# KiCad board SparkFun_Pro_Mini-ESP32_panelized.kicad_pcb (continued)
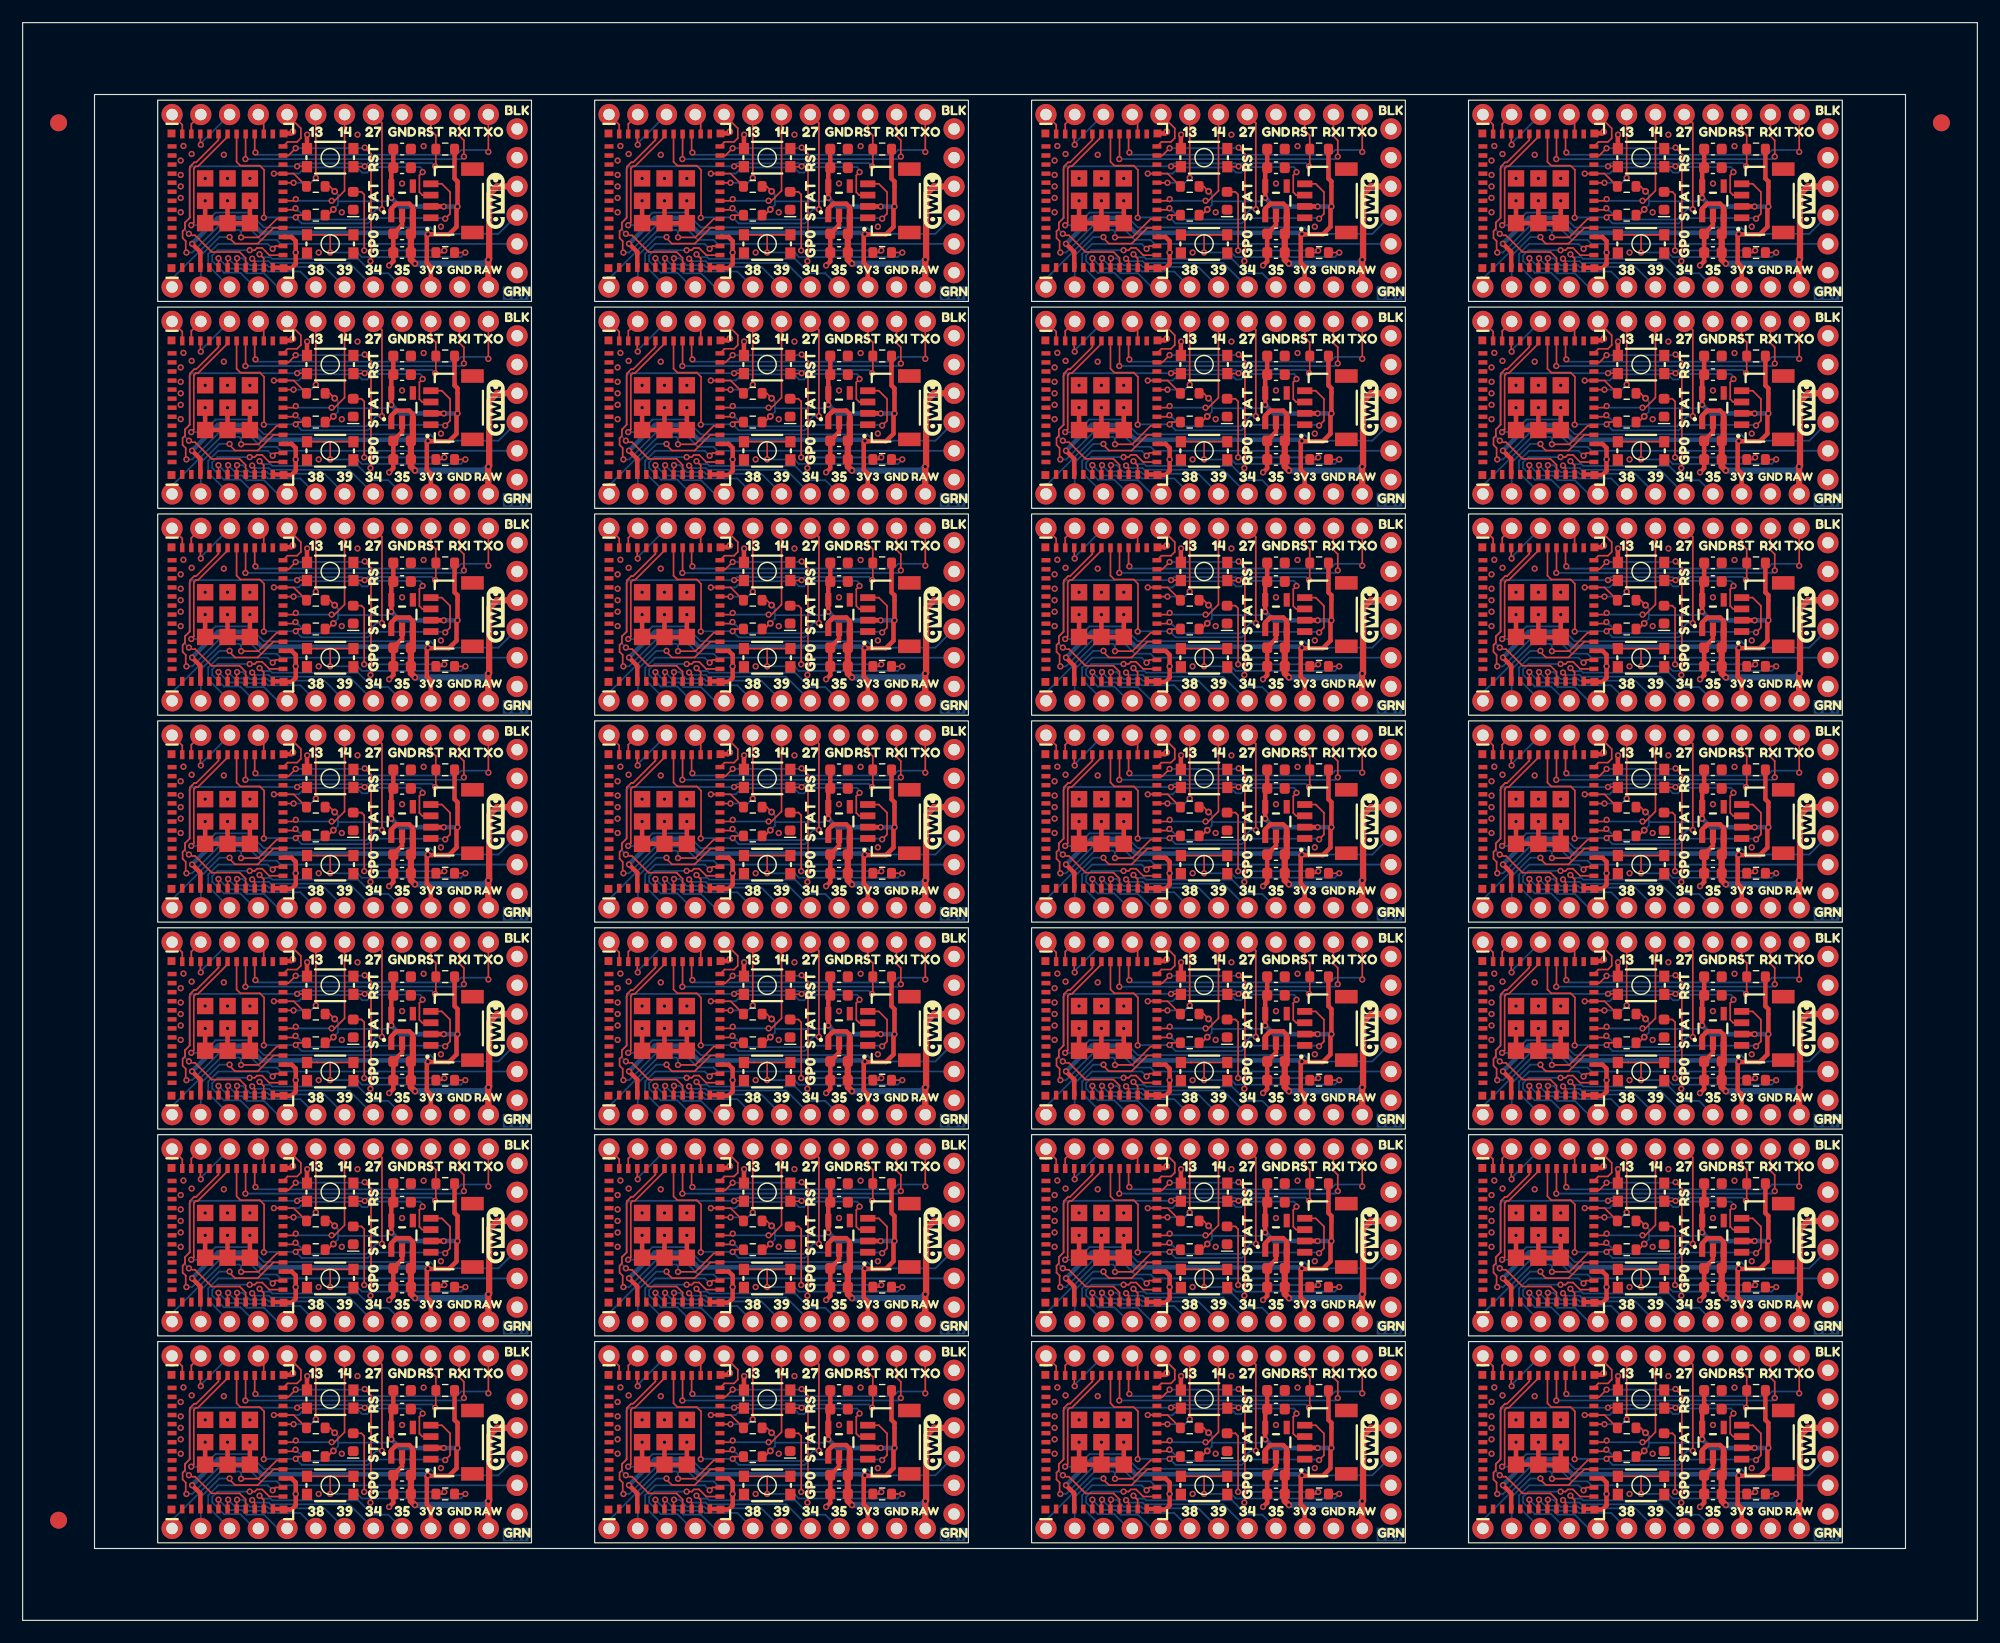
[diagram p0: board, top side]
## Nets (continued)
GND: C1.2 C1#2.2 C1#3.2 C1#4.2 C1#5.2 C1#6.2 C1#7.2 C1#8.2 C1#9.2 C1#10.2 C1#11.2 C1#12.2 C1#13.2 C1#14.2 C1#15.2 C1#16.2 C1#17.2 C1#18.2 C1#19.2 C1#20.2 C1#21.2 C1#22.2 C1#23.2 C1#24.2 C1#25.2 C1#26.2 C1#27.2 C1#28.2 C2.2 C2#2.2 C2#3.2 C2#4.2 C2#5.2 C2#6.2 C2#7.2 C2#8.2 C2#9.2 C2#10.2 C2#11.2 C2#12.2 C2#13.2 C2#14.2 C2#15.2 C2#16.2 C2#17.2 C2#18.2 C2#19.2 C2#20.2 C2#21.2 C2#22.2 C2#23.2 C2#24.2 C2#25.2 C2#26.2 C2#27.2 C2#28.2 C5.2 C5#2.2 C5#3.2 C5#4.2 C5#5.2 C5#6.2 C5#7.2 C5#8.2 C5#9.2 C5#10.2 C5#11.2 C5#12.2 C5#13.2 C5#14.2 C5#15.2 C5#16.2 C5#17.2 C5#18.2 C5#19.2 C5#20.2 C5#21.2 C5#22.2 C5#23.2 C5#24.2 C5#25.2 C5#26.2 C5#27.2 C5#28.2 C6.2 C6#2.2 C6#3.2 C6#4.2 C6#5.2 C6#6.2 C6#7.2 C6#8.2 C6#9.2 C6#10.2 C6#11.2 C6#12.2 C6#13.2 C6#14.2 C6#15.2 C6#16.2 C6#17.2 C6#18.2 C6#19.2 C6#20.2 C6#21.2 C6#22.2 C6#23.2 C6#24.2 C6#25.2 C6#26.2 C6#27.2 C6#28.2 D1.1 D1#2.1 D1#3.1 D1#4.1 D1#5.1 D1#6.1 D1#7.1 D1#8.1 D1#9.1 D1#10.1 D1#11.1 D1#12.1 D1#13.1 D1#14.1 D1#15.1 D1#16.1 D1#17.1 D1#18.1 D1#19.1 D1#20.1 D1#21.1 D1#22.1 D1#23.1 D1#24.1 D1#25.1 D1#26.1 D1#27.1 D1#28.1 J1.5 J1.6 J1#2.5 J1#2.6 J1#3.5 J1#3.6 J1#4.5 J1#4.6 J1#5.5 J1#5.6 J1#6.5 J1#6.6 J1#7.5 J1#7.6 J1#8.5 J1#8.6 J1#9.5 J1#9.6 J1#10.5 J1#10.6 J1#11.5 J1#11.6 J1#12.5 J1#12.6 J1#13.5 J1#13.6 J1#14.5 J1#14.6 J1#15.5 J1#15.6 J1#16.5 J1#16.6 J1#17.5 J1#17.6 J1#18.5 J1#18.6 J1#19.5 J1#19.6 J1#20.5 J1#20.6 J1#21.5 J1#21.6 J1#22.5 J1#22.6 J1#23.5 J1#23.6 J1#24.5 J1#24.6 J1#25.5 J1#25.6 J1#26.5 J1#26.6 J1#27.5 J1#27.6 J1#28.5 J1#28.6 J2.11 J2#2.11 J2#3.11 J2#4.11 J2#5.11 J2#6.11 J2#7.11 J2#8.11 J2#9.11 J2#10.11 J2#11.11 J2#12.11 J2#13.11 J2#14.11 J2#15.11 J2#16.11 J2#17.11 J2#18.11 J2#19.11 J2#20.11 J2#21.11 J2#22.11 J2#23.11 J2#24.11 J2#25.11 J2#26.11 J2#27.11 J2#28.11 J3.9 J3#2.9 J3#3.9 J3#4.9 J3#5.9 J3#6.9 J3#7.9 J3#8.9 J3#9.9 J3#10.9 J3#11.9 J3#12.9 J3#13.9 J3#14.9 J3#15.9 J3#16.9 J3#17.9 J3#18.9 J3#19.9 J3#20.9 J3#21.9 J3#22.9 J3#23.9 J3#24.9 J3#25.9 J3#26.9 J3#27.9 J3#28.9 J4.1 J4#2.1 J4#3.1 J4#4.1 J4#5.1 J4#6.1 J4#7.1 J4#8.1 J4#9.1 J4#10.1 J4#11.1 J4#12.1 J4#13.1 J4#14.1 J4#15.1 J4#16.1 J4#17.1 J4#18.1 J4#19.1 J4#20.1 J4#21.1 J4#22.1 J4#23.1 J4#24.1 J4#25.1 J4#26.1 J4#27.1 J4#28.1 SW1.2 SW1#2.2 SW1#3.2 SW1#4.2 SW1#5.2 SW1#6.2 SW1#7.2 SW1#8.2 SW1#9.2 SW1#10.2 SW1#11.2 SW1#12.2 SW1#13.2 SW1#14.2 SW1#15.2 SW1#16.2 SW1#17.2 SW1#18.2 SW1#19.2 SW1#20.2 SW1#21.2 SW1#22.2 SW1#23.2 SW1#24.2 SW1#25.2 SW1#26.2 SW1#27.2 SW1#28.2 SW2.2 SW2#2.2 SW2#3.2 SW2#4.2 SW2#5.2 SW2#6.2 SW2#7.2 SW2#8.2 SW2#9.2 SW2#10.2 SW2#11.2 SW2#12.2 SW2#13.2 SW2#14.2 SW2#15.2 SW2#16.2 SW2#17.2 SW2#18.2 SW2#19.2 SW2#20.2 SW2#21.2 SW2#22.2 SW2#23.2 SW2#24.2 SW2#25.2 SW2#26.2 SW2#27.2 SW2#28.2 U1.1 U1.2 U1.11 U1.14 U1.36 U1.37 U1.38 U1.39 U1.40 U1.41 U1.42 U1.43 U1.44 U1.45 U1.46 U1.47 U1.48 U1.49.1 U1.49.2 U1.49.3 U1.49.4 U1.49.5 U1.49.6 U1.49.7 U1.49.8 U1.49.9 U1.50 U1.51 U1.52 U1.53 U1#2.1 U1#2.2 U1#2.11 U1#2.14 U1#2.36 U1#2.37 U1#2.38 U1#2.39 U1#2.40 U1#2.41 U1#2.42 U1#2.43 U1#2.44 U1#2.45 U1#2.46 U1#2.47 U1#2.48 U1#2.49.1 U1#2.49.2 U1#2.49.3 U1#2.49.4 U1#2.49.5 U1#2.49.6 U1#2.49.7 U1#2.49.8 U1#2.49.9 U1#2.50 U1#2.51 U1#2.52 U1#2.53 U1#3.1 U1#3.2 U1#3.11 U1#3.14 U1#3.36 U1#3.37 U1#3.38 U1#3.39 U1#3.40 U1#3.41 U1#3.42 U1#3.43 U1#3.44 U1#3.45 U1#3.46 U1#3.47 U1#3.48 U1#3.49.1 U1#3.49.2 U1#3.49.3 U1#3.49.4 U1#3.49.5 U1#3.49.6 U1#3.49.7 U1#3.49.8 U1#3.49.9 U1#3.50 U1#3.51 U1#3.52 U1#3.53 U1#4.1 U1#4.2 U1#4.11 U1#4.14 U1#4.36 U1#4.37 U1#4.38 U1#4.39 U1#4.40 U1#4.41 U1#4.42 U1#4.43 U1#4.44 U1#4.45 U1#4.46 U1#4.47 U1#4.48 U1#4.49.1 U1#4.49.2 U1#4.49.3 U1#4.49.4 U1#4.49.5 U1#4.49.6 U1#4.49.7 U1#4.49.8 U1#4.49.9 U1#4.50 U1#4.51 U1#4.52 U1#4.53 U1#5.1 U1#5.2 U1#5.11 U1#5.14 U1#5.36 U1#5.37 U1#5.38 U1#5.39 U1#5.40 U1#5.41 U1#5.42 U1#5.43 U1#5.44 U1#5.45 U1#5.46 U1#5.47 U1#5.48 U1#5.49.1 U1#5.49.2 U1#5.49.3 U1#5.49.4 U1#5.49.5 U1#5.49.6 U1#5.49.7 U1#5.49.8 U1#5.49.9 U1#5.50 U1#5.51 U1#5.52 U1#5.53 U1#6.1 U1#6.2 U1#6.11 U1#6.14 U1#6.36 U1#6.37 U1#6.38 U1#6.39 U1#6.40 U1#6.41 U1#6.42 U1#6.43 U1#6.44 U1#6.45 U1#6.46 U1#6.47 U1#6.48 U1#6.49.1 U1#6.49.2 U1#6.49.3 U1#6.49.4 U1#6.49.5 U1#6.49.6 U1#6.49.7 U1#6.49.8 U1#6.49.9 U1#6.50 U1#6.51 U1#6.52 U1#6.53 U1#7.1 U1#7.2 U1#7.11 U1#7.14 U1#7.36 U1#7.37 U1#7.38 U1#7.39 U1#7.40 U1#7.41 U1#7.42 U1#7.43 U1#7.44 U1#7.45 U1#7.46 U1#7.47 U1#7.48 U1#7.49.1 U1#7.49.2 U1#7.49.3 U1#7.49.4 U1#7.49.5 U1#7.49.6 U1#7.49.7 U1#7.49.8 U1#7.49.9 U1#7.50 U1#7.51 U1#7.52 U1#7.53 U1#8.1 U1#8.2 U1#8.11 U1#8.14 U1#8.36 U1#8.37 U1#8.38 U1#8.39 U1#8.40 U1#8.41 U1#8.42 U1#8.43 U1#8.44 U1#8.45 U1#8.46 U1#8.47 U1#8.48 U1#8.49.1 U1#8.49.2 U1#8.49.3 U1#8.49.4 U1#8.49.5 U1#8.49.6 U1#8.49.7 U1#8.49.8 U1#8.49.9 U1#8.50 U1#8.51 U1#8.52 U1#8.53 U1#9.1 U1#9.2 U1#9.11 U1#9.14 U1#9.36 U1#9.37 U1#9.38 U1#9.39 U1#9.40 U1#9.41 U1#9.42 U1#9.43 U1#9.44 U1#9.45 U1#9.46 U1#9.47 U1#9.48 U1#9.49.1 U1#9.49.2 U1#9.49.3 U1#9.49.4 U1#9.49.5 U1#9.49.6 U1#9.49.7 U1#9.49.8 U1#9.49.9 U1#9.50 U1#9.51 U1#9.52 U1#9.53 U1#10.1 U1#10.2 U1#10.11 U1#10.14 U1#10.36 U1#10.37 U1#10.38 U1#10.39 U1#10.40 U1#10.41 U1#10.42 U1#10.43 U1#10.44 U1#10.45 U1#10.46 U1#10.47 U1#10.48 U1#10.49.1 U1#10.49.2 U1#10.49.3 U1#10.49.4 U1#10.49.5 U1#10.49.6 U1#10.49.7 U1#10.49.8 U1#10.49.9 U1#10.50 U1#10.51 U1#10.52 U1#10.53 U1#11.1 U1#11.2 U1#11.11 U1#11.14 U1#11.36 U1#11.37 U1#11.38 U1#11.39 U1#11.40 U1#11.41 U1#11.42 U1#11.43 U1#11.44 U1#11.45 U1#11.46 U1#11.47 U1#11.48 U1#11.49.1 U1#11.49.2 U1#11.49.3 U1#11.49.4 U1#11.49.5 U1#11.49.6 U1#11.49.7 U1#11.49.8 U1#11.49.9 U1#11.50 U1#11.51 U1#11.52 U1#11.53 U1#12.1 U1#12.2 U1#12.11 U1#12.14 U1#12.36 U1#12.37 U1#12.38 U1#12.39 U1#12.40 U1#12.41 U1#12.42 U1#12.43 U1#12.44 U1#12.45 U1#12.46 U1#12.47 U1#12.48 U1#12.49.1 U1#12.49.2 U1#12.49.3 U1#12.49.4 U1#12.49.5 U1#12.49.6 U1#12.49.7 U1#12.49.8 U1#12.49.9 U1#12.50 U1#12.51 U1#12.52 U1#12.53 U1#13.1 U1#13.2 U1#13.11 U1#13.14 U1#13.36 U1#13.37 U1#13.38 U1#13.39 U1#13.40 U1#13.41 U1#13.42 U1#13.43 U1#13.44 U1#13.45 U1#13.46 U1#13.47 U1#13.48 U1#13.49.1 U1#13.49.2 U1#13.49.3 U1#13.49.4 U1#13.49.5 U1#13.49.6 U1#13.49.7 U1#13.49.8 U1#13.49.9 U1#13.50 U1#13.51 U1#13.52 U1#13.53 U1#14.1 U1#14.2 U1#14.11 U1#14.14 U1#14.36 U1#14.37 U1#14.38 U1#14.39 U1#14.40 U1#14.41 U1#14.42 U1#14.43 U1#14.44 U1#14.45 U1#14.46 U1#14.47 U1#14.48 U1#14.49.1 U1#14.49.2 U1#14.49.3 U1#14.49.4 U1#14.49.5 U1#14.49.6 U1#14.49.7 U1#14.49.8 U1#14.49.9 U1#14.50 U1#14.51 U1#14.52 U1#14.53 U1#15.1 U1#15.2 U1#15.11 U1#15.14 U1#15.36 U1#15.37 U1#15.38 U1#15.39 U1#15.40 U1#15.41 U1#15.42 U1#15.43 U1#15.44 U1#15.45 U1#15.46 U1#15.47 U1#15.48 U1#15.49.1 U1#15.49.2 U1#15.49.3 U1#15.49.4 U1#15.49.5 U1#15.49.6 U1#15.49.7 U1#15.49.8 U1#15.49.9 U1#15.50 U1#15.51 U1#15.52 U1#15.53 U1#16.1 U1#16.2 U1#16.11 U1#16.14 U1#16.36 U1#16.37 U1#16.38 U1#16.39 U1#16.40 U1#16.41 U1#16.42 U1#16.43 U1#16.44 U1#16.45 U1#16.46 U1#16.47 U1#16.48 U1#16.49.1 U1#16.49.2 U1#16.49.3 U1#16.49.4 U1#16.49.5 U1#16.49.6 U1#16.49.7 U1#16.49.8 U1#16.49.9 U1#16.50 U1#16.51 U1#16.52 U1#16.53 U1#17.1 U1#17.2 U1#17.11 U1#17.14 U1#17.36 U1#17.37 U1#17.38 U1#17.39 U1#17.40 U1#17.41 U1#17.42 U1#17.43 U1#17.44 U1#17.45 U1#17.46 U1#17.47 U1#17.48 U1#17.49.1 U1#17.49.2 U1#17.49.3 U1#17.49.4 U1#17.49.5 U1#17.49.6 U1#17.49.7 U1#17.49.8 U1#17.49.9 U1#17.50 U1#17.51 U1#17.52 U1#17.53 U1#18.1 U1#18.2 U1#18.11 U1#18.14 U1#18.36 U1#18.37 U1#18.38 U1#18.39 U1#18.40 U1#18.41 U1#18.42 U1#18.43 U1#18.44 U1#18.45 U1#18.46 U1#18.47 U1#18.48 U1#18.49.1 U1#18.49.2 U1#18.49.3 U1#18.49.4 U1#18.49.5 U1#18.49.6 U1#18.49.7 U1#18.49.8 U1#18.49.9 U1#18.50 U1#18.51 U1#18.52 U1#18.53 U1#19.1 U1#19.2 U1#19.11 U1#19.14 U1#19.36 U1#19.37 U1#19.38 U1#19.39 U1#19.40 U1#19.41 U1#19.42 U1#19.43 U1#19.44 U1#19.45 U1#19.46 U1#19.47 U1#19.48 U1#19.49.1 U1#19.49.2 U1#19.49.3 U1#19.49.4 U1#19.49.5 U1#19.49.6 U1#19.49.7 U1#19.49.8 U1#19.49.9 U1#19.50 U1#19.51 U1#19.52 U1#19.53 U1#20.1 U1#20.2 U1#20.11 U1#20.14 U1#20.36 U1#20.37 U1#20.38 U1#20.39 U1#20.40 U1#20.41 U1#20.42 U1#20.43 U1#20.44 U1#20.45 U1#20.46 U1#20.47 U1#20.48 U1#20.49.1 U1#20.49.2 U1#20.49.3 U1#20.49.4 U1#20.49.5 U1#20.49.6 U1#20.49.7 U1#20.49.8 U1#20.49.9 U1#20.50 U1#20.51 U1#20.52 U1#20.53 U1#21.1 U1#21.2 U1#21.11 U1#21.14 U1#21.36 U1#21.37 U1#21.38 U1#21.39 U1#21.40 U1#21.41 U1#21.42 U1#21.43 U1#21.44 U1#21.45 U1#21.46 U1#21.47 U1#21.48 U1#21.49.1 U1#21.49.2 U1#21.49.3 U1#21.49.4 U1#21.49.5 U1#21.49.6 U1#21.49.7 U1#21.49.8 U1#21.49.9 U1#21.50 U1#21.51 U1#21.52 U1#21.53 U1#22.1 U1#22.2 U1#22.11 U1#22.14 U1#22.36 U1#22.37 U1#22.38 U1#22.39 U1#22.40 U1#22.41 U1#22.42 U1#22.43 U1#22.44 U1#22.45 U1#22.46 U1#22.47 U1#22.48 U1#22.49.1 U1#22.49.2 U1#22.49.3 U1#22.49.4 U1#22.49.5 U1#22.49.6 U1#22.49.7 U1#22.49.8 U1#22.49.9 U1#22.50 U1#22.51 U1#22.52 U1#22.53 U1#23.1 U1#23.2 U1#23.11 U1#23.14 U1#23.36 U1#23.37 U1#23.38 U1#23.39 U1#23.40 U1#23.41 U1#23.42 U1#23.43 U1#23.44 U1#23.45 U1#23.46 U1#23.47 U1#23.48 U1#23.49.1 U1#23.49.2 U1#23.49.3 U1#23.49.4 U1#23.49.5 U1#23.49.6 U1#23.49.7 U1#23.49.8 U1#23.49.9 U1#23.50 U1#23.51 U1#23.52 U1#23.53 U1#24.1 U1#24.2 U1#24.11 U1#24.14 U1#24.36 U1#24.37 U1#24.38 U1#24.39 U1#24.40 U1#24.41 U1#24.42 U1#24.43 U1#24.44 U1#24.45 U1#24.46 U1#24.47 U1#24.48 U1#24.49.1 U1#24.49.2 U1#24.49.3 U1#24.49.4 U1#24.49.5 U1#24.49.6 U1#24.49.7 U1#24.49.8 U1#24.49.9 U1#24.50 U1#24.51 U1#24.52 U1#24.53 U1#25.1 U1#25.2 U1#25.11 U1#25.14 U1#25.36 U1#25.37 U1#25.38 U1#25.39 U1#25.40 U1#25.41 U1#25.42 U1#25.43 U1#25.44 U1#25.45 U1#25.46 U1#25.47 U1#25.48 U1#25.49.1 U1#25.49.2 U1#25.49.3 U1#25.49.4 U1#25.49.5 U1#25.49.6 U1#25.49.7 U1#25.49.8 U1#25.49.9 U1#25.50 U1#25.51 U1#25.52 U1#25.53 U1#26.1 U1#26.2 U1#26.11 U1#26.14 U1#26.36 U1#26.37 U1#26.38 U1#26.39 U1#26.40 U1#26.41 U1#26.42 U1#26.43 U1#26.44 U1#26.45 U1#26.46 U1#26.47 U1#26.48 U1#26.49.1 U1#26.49.2 U1#26.49.3 U1#26.49.4 U1#26.49.5 U1#26.49.6 U1#26.49.7 U1#26.49.8 U1#26.49.9 U1#26.50 U1#26.51 U1#26.52 U1#26.53 U1#27.1 U1#27.2 U1#27.11 U1#27.14 U1#27.36 U1#27.37 U1#27.38 U1#27.39 U1#27.40 U1#27.41 U1#27.42 U1#27.43 U1#27.44 U1#27.45 U1#27.46 U1#27.47 U1#27.48 U1#27.49.1 U1#27.49.2 U1#27.49.3 U1#27.49.4 U1#27.49.5 U1#27.49.6 U1#27.49.7 U1#27.49.8 U1#27.49.9 U1#27.50 U1#27.51 U1#27.52 U1#27.53 U1#28.1 U1#28.2 U1#28.11 U1#28.14 U1#28.36 U1#28.37 U1#28.38 U1#28.39 U1#28.40 U1#28.41 U1#28.42 U1#28.43 U1#28.44 U1#28.45 U1#28.46 U1#28.47 U1#28.48 U1#28.49.1 U1#28.49.2 U1#28.49.3 U1#28.49.4 U1#28.49.5 U1#28.49.6 U1#28.49.7 U1#28.49.8 U1#28.49.9 U1#28.50 U1#28.51 U1#28.52 U1#28.53 U2.2 U2#2.2 U2#3.2 U2#4.2 U2#5.2 U2#6.2 U2#7.2 U2#8.2 U2#9.2 U2#10.2 U2#11.2 U2#12.2 U2#13.2 U2#14.2 U2#15.2 U2#16.2 U2#17.2 U2#18.2 U2#19.2 U2#20.2 U2#21.2 U2#22.2 U2#23.2 U2#24.2 U2#25.2 U2#26.2 U2#27.2 U2#28.2
VCC: C1.1 C1#2.1 C1#3.1 C1#4.1 C1#5.1 C1#6.1 C1#7.1 C1#8.1 C1#9.1 C1#10.1 C1#11.1 C1#12.1 C1#13.1 C1#14.1 C1#15.1 C1#16.1 C1#17.1 C1#18.1 C1#19.1 C1#20.1 C1#21.1 C1#22.1 C1#23.1 C1#24.1 C1#25.1 C1#26.1 C1#27.1 C1#28.1 C2.1 C2#2.1 C2#3.1 C2#4.1 C2#5.1 C2#6.1 C2#7.1 C2#8.1 C2#9.1 C2#10.1 C2#11.1 C2#12.1 C2#13.1 C2#14.1 C2#15.1 C2#16.1 C2#17.1 C2#18.1 C2#19.1 C2#20.1 C2#21.1 C2#22.1 C2#23.1 C2#24.1 C2#25.1 C2#26.1 C2#27.1 C2#28.1 J1.4 J1#2.4 J1#3.4 J1#4.4 J1#5.4 J1#6.4 J1#7.4 J1#8.4 J1#9.4 J1#10.4 J1#11.4 J1#12.4 J1#13.4 J1#14.4 J1#15.4 J1#16.4 J1#17.4 J1#18.4 J1#19.4 J1#20.4 J1#21.4 J1#22.4 J1#23.4 J1#24.4 J1#25.4 J1#26.4 J1#27.4 J1#28.4 J2.12 J2#2.12 J2#3.12 J2#4.12 J2#5.12 J2#6.12 J2#7.12 J2#8.12 J2#9.12 J2#10.12 J2#11.12 J2#12.12 J2#13.12 J2#14.12 J2#15.12 J2#16.12 J2#17.12 J2#18.12 J2#19.12 J2#20.12 J2#21.12 J2#22.12 J2#23.12 J2#24.12 J2#25.12 J2#26.12 J2#27.12 J2#28.12 U2.1 U2.3 U2#2.1 U2#2.3 U2#3.1 U2#3.3 U2#4.1 U2#4.3 U2#5.1 U2#5.3 U2#6.1 U2#6.3 U2#7.1 U2#7.3 U2#8.1 U2#8.3 U2#9.1 U2#9.3 U2#10.1 U2#10.3 U2#11.1 U2#11.3 U2#12.1 U2#12.3 U2#13.1 U2#13.3 U2#14.1 U2#14.3 U2#15.1 U2#15.3 U2#16.1 U2#16.3 U2#17.1 U2#17.3 U2#18.1 U2#18.3 U2#19.1 U2#19.3 U2#20.1 U2#20.3 U2#21.1 U2#21.3 U2#22.1 U2#22.3 U2#23.1 U2#23.3 U2#24.1 U2#24.3 U2#25.1 U2#25.3 U2#26.1 U2#26.3 U2#27.1 U2#27.3 U2#28.1 U2#28.3
ESP_0/STAT: R2.1 R2#2.1 R2#3.1 R2#4.1 R2#5.1 R2#6.1 R2#7.1 R2#8.1 R2#9.1 R2#10.1 R2#11.1 R2#12.1 R2#13.1 R2#14.1 R2#15.1 R2#16.1 R2#17.1 R2#18.1 R2#19.1 R2#20.1 R2#21.1 R2#22.1 R2#23.1 R2#24.1 R2#25.1 R2#26.1 R2#27.1 R2#28.1 SW2.1 SW2#2.1 SW2#3.1 SW2#4.1 SW2#5.1 SW2#6.1 SW2#7.1 SW2#8.1 SW2#9.1 SW2#10.1 SW2#11.1 SW2#12.1 SW2#13.1 SW2#14.1 SW2#15.1 SW2#16.1 SW2#17.1 SW2#18.1 SW2#19.1 SW2#20.1 SW2#21.1 SW2#22.1 SW2#23.1 SW2#24.1 SW2#25.1 SW2#26.1 SW2#27.1 SW2#28.1 U1.23 U1#2.23 U1#3.23 U1#4.23 U1#5.23 U1#6.23 U1#7.23 U1#8.23 U1#9.23 U1#10.23 U1#11.23 U1#12.23 U1#13.23 U1#14.23 U1#15.23 U1#16.23 U1#17.23 U1#18.23 U1#19.23 U1#20.23 U1#21.23 U1#22.23 U1#23.23 U1#24.23 U1#25.23 U1#26.23 U1#27.23 U1#28.23
ESP_1/TX: J1.2 J1#2.2 J1#3.2 J1#4.2 J1#5.2 J1#6.2 J1#7.2 J1#8.2 J1#9.2 J1#10.2 J1#11.2 J1#12.2 J1#13.2 J1#14.2 J1#15.2 J1#16.2 J1#17.2 J1#18.2 J1#19.2 J1#20.2 J1#21.2 J1#22.2 J1#23.2 J1#24.2 J1#25.2 J1#26.2 J1#27.2 J1#28.2 U1.31 U1#2.31 U1#3.31 U1#4.31 U1#5.31 U1#6.31 U1#7.31 U1#8.31 U1#9.31 U1#10.31 U1#11.31 U1#12.31 U1#13.31 U1#14.31 U1#15.31 U1#16.31 U1#17.31 U1#18.31 U1#19.31 U1#20.31 U1#21.31 U1#22.31 U1#23.31 U1#24.31 U1#25.31 U1#26.31 U1#27.31 U1#28.31
ESP_2: U1.22 U1#2.22 U1#3.22 U1#4.22 U1#5.22 U1#6.22 U1#7.22 U1#8.22 U1#9.22 U1#10.22 U1#11.22 U1#12.22 U1#13.22 U1#14.22 U1#15.22 U1#16.22 U1#17.22 U1#18.22 U1#19.22 U1#20.22 U1#21.22 U1#22.22 U1#23.22 U1#24.22 U1#25.22 U1#26.22 U1#27.22 U1#28.22
ESP_3/RX: J1.3 J1#2.3 J1#3.3 J1#4.3 J1#5.3 J1#6.3 J1#7.3 J1#8.3 J1#9.3 J1#10.3 J1#11.3 J1#12.3 J1#13.3 J1#14.3 J1#15.3 J1#16.3 J1#17.3 J1#18.3 J1#19.3 J1#20.3 J1#21.3 J1#22.3 J1#23.3 J1#24.3 J1#25.3 J1#26.3 J1#27.3 J1#28.3 U1.30 U1#2.30 U1#3.30 U1#4.30 U1#5.30 U1#6.30 U1#7.30 U1#8.30 U1#9.30 U1#10.30 U1#11.30 U1#12.30 U1#13.30 U1#14.30 U1#15.30 U1#16.30 U1#17.30 U1#18.30 U1#19.30 U1#20.30 U1#21.30 U1#22.30 U1#23.30 U1#24.30 U1#25.30 U1#26.30 U1#27.30 U1#28.30
ESP_4A: J3.5 J3#2.5 J3#3.5 J3#4.5 J3#5.5 J3#6.5 J3#7.5 J3#8.5 J3#9.5 J3#10.5 J3#11.5 J3#12.5 J3#13.5 J3#14.5 J3#15.5 J3#16.5 J3#17.5 J3#18.5 J3#19.5 J3#20.5 J3#21.5 J3#22.5 J3#23.5 J3#24.5 J3#25.5 J3#26.5 J3#27.5 J3#28.5 U1.24 U1#2.24 U1#3.24 U1#4.24 U1#5.24 U1#6.24 U1#7.24 U1#8.24 U1#9.24 U1#10.24 U1#11.24 U1#12.24 U1#13.24 U1#14.24 U1#15.24 U1#16.24 U1#17.24 U1#18.24 U1#19.24 U1#20.24 U1#21.24 U1#22.24 U1#23.24 U1#24.24 U1#25.24 U1#26.24 U1#27.24 U1#28.24
ESP_5: J4.4 J4#2.4 J4#3.4 J4#4.4 J4#5.4 J4#6.4 J4#7.4 J4#8.4 J4#9.4 J4#10.4 J4#11.4 J4#12.4 J4#13.4 J4#14.4 J4#15.4 J4#16.4 J4#17.4 J4#18.4 J4#19.4 J4#20.4 J4#21.4 J4#22.4 J4#23.4 J4#24.4 J4#25.4 J4#26.4 J4#27.4 J4#28.4 R3.2 R3#2.2 R3#3.2 R3#4.2 R3#5.2 R3#6.2 R3#7.2 R3#8.2 R3#9.2 R3#10.2 R3#11.2 R3#12.2 R3#13.2 R3#14.2 R3#15.2 R3#16.2 R3#17.2 R3#18.2 R3#19.2 R3#20.2 R3#21.2 R3#22.2 R3#23.2 R3#24.2 R3#25.2 R3#26.2 R3#27.2 R3#28.2 U1.29 U1#2.29 U1#3.29 U1#4.29 U1#5.29 U1#6.29 U1#7.29 U1#8.29 U1#9.29 U1#10.29 U1#11.29 U1#12.29 U1#13.29 U1#14.29 U1#15.29 U1#16.29 U1#17.29 U1#18.29 U1#19.29 U1#20.29 U1#21.29 U1#22.29 U1#23.29 U1#24.29 U1#25.29 U1#26.29 U1#27.29 U1#28.29
ESP_7: J3.12 J3#2.12 J3#3.12 J3#4.12 J3#5.12 J3#6.12 J3#7.12 J3#8.12 J3#9.12 J3#10.12 J3#11.12 J3#12.12 J3#13.12 J3#14.12 J3#15.12 J3#16.12 J3#17.12 J3#18.12 J3#19.12 J3#20.12 J3#21.12 J3#22.12 J3#23.12 J3#24.12 J3#25.12 J3#26.12 J3#27.12 J3#28.12 U1.27 U1#2.27 U1#3.27 U1#4.27 U1#5.27 U1#6.27 U1#7.27 U1#8.27 U1#9.27 U1#10.27 U1#11.27 U1#12.27 U1#13.27 U1#14.27 U1#15.27 U1#16.27 U1#17.27 U1#18.27 U1#19.27 U1#20.27 U1#21.27 U1#22.27 U1#23.27 U1#24.27 U1#25.27 U1#26.27 U1#27.27 U1#28.27
ESP_8: J3.11 J3#2.11 J3#3.11 J3#4.11 J3#5.11 J3#6.11 J3#7.11 J3#8.11 J3#9.11 J3#10.11 J3#11.11 J3#12.11 J3#13.11 J3#14.11 J3#15.11 J3#16.11 J3#17.11 J3#18.11 J3#19.11 J3#20.11 J3#21.11 J3#22.11 J3#23.11 J3#24.11 J3#25.11 J3#26.11 J3#27.11 J3#28.11 U1.28 U1#2.28 U1#3.28 U1#4.28 U1#5.28 U1#6.28 U1#7.28 U1#8.28 U1#9.28 U1#10.28 U1#11.28 U1#12.28 U1#13.28 U1#14.28 U1#15.28 U1#16.28 U1#17.28 U1#18.28 U1#19.28 U1#20.28 U1#21.28 U1#22.28 U1#23.28 U1#24.28 U1#25.28 U1#26.28 U1#27.28 U1#28.28
ESP_12: U1.19 U1#2.19 U1#3.19 U1#4.19 U1#5.19 U1#6.19 U1#7.19 U1#8.19 U1#9.19 U1#10.19 U1#11.19 U1#12.19 U1#13.19 U1#14.19 U1#15.19 U1#16.19 U1#17.19 U1#18.19 U1#19.19 U1#20.19 U1#21.19 U1#22.19 U1#23.19 U1#24.19 U1#25.19 U1#26.19 U1#27.19 U1#28.19
ESP_13A: J3.6 J3#2.6 J3#3.6 J3#4.6 J3#5.6 J3#6.6 J3#7.6 J3#8.6 J3#9.6 J3#10.6 J3#11.6 J3#12.6 J3#13.6 J3#14.6 J3#15.6 J3#16.6 J3#17.6 J3#18.6 J3#19.6 J3#20.6 J3#21.6 J3#22.6 J3#23.6 J3#24.6 J3#25.6 J3#26.6 J3#27.6 J3#28.6 U1.20 U1#2.20 U1#3.20 U1#4.20 U1#5.20 U1#6.20 U1#7.20 U1#8.20 U1#9.20 U1#10.20 U1#11.20 U1#12.20 U1#13.20 U1#14.20 U1#15.20 U1#16.20 U1#17.20 U1#18.20 U1#19.20 U1#20.20 U1#21.20 U1#22.20 U1#23.20 U1#24.20 U1#25.20 U1#26.20 U1#27.20 U1#28.20
ESP_14A: J3.7 J3#2.7 J3#3.7 J3#4.7 J3#5.7 J3#6.7 J3#7.7 J3#8.7 J3#9.7 J3#10.7 J3#11.7 J3#12.7 J3#13.7 J3#14.7 J3#15.7 J3#16.7 J3#17.7 J3#18.7 J3#19.7 J3#20.7 J3#21.7 J3#22.7 J3#23.7 J3#24.7 J3#25.7 J3#26.7 J3#27.7 J3#28.7 U1.18 U1#2.18 U1#3.18 U1#4.18 U1#5.18 U1#6.18 U1#7.18 U1#8.18 U1#9.18 U1#10.18 U1#11.18 U1#12.18 U1#13.18 U1#14.18 U1#15.18 U1#16.18 U1#17.18 U1#18.18 U1#19.18 U1#20.18 U1#21.18 U1#22.18 U1#23.18 U1#24.18 U1#25.18 U1#26.18 U1#27.18 U1#28.18
ESP_15: J4.3 J4#2.3 J4#3.3 J4#4.3 J4#5.3 J4#6.3 J4#7.3 J4#8.3 J4#9.3 J4#10.3 J4#11.3 J4#12.3 J4#13.3 J4#14.3 J4#15.3 J4#16.3 J4#17.3 J4#18.3 J4#19.3 J4#20.3 J4#21.3 J4#22.3 J4#23.3 J4#24.3 J4#25.3 J4#26.3 J4#27.3 J4#28.3 R4.2 R4#2.2 R4#3.2 R4#4.2 R4#5.2 R4#6.2 R4#7.2 R4#8.2 R4#9.2 R4#10.2 R4#11.2 R4#12.2 R4#13.2 R4#14.2 R4#15.2 R4#16.2 R4#17.2 R4#18.2 R4#19.2 R4#20.2 R4#21.2 R4#22.2 R4#23.2 R4#24.2 R4#25.2 R4#26.2 R4#27.2 R4#28.2 U1.21 U1#2.21 U1#3.21 U1#4.21 U1#5.21 U1#6.21 U1#7.21 U1#8.21 U1#9.21 U1#10.21 U1#11.21 U1#12.21 U1#13.21 U1#14.21 U1#15.21 U1#16.21 U1#17.21 U1#18.21 U1#19.21 U1#20.21 U1#21.21 U1#22.21 U1#23.21 U1#24.21 U1#25.21 U1#26.21 U1#27.21 U1#28.21
ESP_19: J3.3 J3#2.3 J3#3.3 J3#4.3 J3#5.3 J3#6.3 J3#7.3 J3#8.3 J3#9.3 J3#10.3 J3#11.3 J3#12.3 J3#13.3 J3#14.3 J3#15.3 J3#16.3 J3#17.3 J3#18.3 J3#19.3 J3#20.3 J3#21.3 J3#22.3 J3#23.3 J3#24.3 J3#25.3 J3#26.3 J3#27.3 J3#28.3 U1.33 U1#2.33 U1#3.33 U1#4.33 U1#5.33 U1#6.33 U1#7.33 U1#8.33 U1#9.33 U1#10.33 U1#11.33 U1#12.33 U1#13.33 U1#14.33 U1#15.33 U1#16.33 U1#17.33 U1#18.33 U1#19.33 U1#20.33 U1#21.33 U1#22.33 U1#23.33 U1#24.33 U1#25.33 U1#26.33 U1#27.33 U1#28.33
ESP_20: J3.4 J3#2.4 J3#3.4 J3#4.4 J3#5.4 J3#6.4 J3#7.4 J3#8.4 J3#9.4 J3#10.4 J3#11.4 J3#12.4 J3#13.4 J3#14.4 J3#15.4 J3#16.4 J3#17.4 J3#18.4 J3#19.4 J3#20.4 J3#21.4 J3#22.4 J3#23.4 J3#24.4 J3#25.4 J3#26.4 J3#27.4 J3#28.4 U1.26 U1#2.26 U1#3.26 U1#4.26 U1#5.26 U1#6.26 U1#7.26 U1#8.26 U1#9.26 U1#10.26 U1#11.26 U1#12.26 U1#13.26 U1#14.26 U1#15.26 U1#16.26 U1#17.26 U1#18.26 U1#19.26 U1#20.26 U1#21.26 U1#22.26 U1#23.26 U1#24.26 U1#25.26 U1#26.26 U1#27.26 U1#28.26
ESP_21: J3.1 J3#2.1 J3#3.1 J3#4.1 J3#5.1 J3#6.1 J3#7.1 J3#8.1 J3#9.1 J3#10.1 J3#11.1 J3#12.1 J3#13.1 J3#14.1 J3#15.1 J3#16.1 J3#17.1 J3#18.1 J3#19.1 J3#20.1 J3#21.1 J3#22.1 J3#23.1 J3#24.1 J3#25.1 J3#26.1 J3#27.1 J3#28.1 U1.35 U1#2.35 U1#3.35 U1#4.35 U1#5.35 U1#6.35 U1#7.35 U1#8.35 U1#9.35 U1#10.35 U1#11.35 U1#12.35 U1#13.35 U1#14.35 U1#15.35 U1#16.35 U1#17.35 U1#18.35 U1#19.35 U1#20.35 U1#21.35 U1#22.35 U1#23.35 U1#24.35 U1#25.35 U1#26.35 U1#27.35 U1#28.35
ESP_22: J3.2 J3#2.2 J3#3.2 J3#4.2 J3#5.2 J3#6.2 J3#7.2 J3#8.2 J3#9.2 J3#10.2 J3#11.2 J3#12.2 J3#13.2 J3#14.2 J3#15.2 J3#16.2 J3#17.2 J3#18.2 J3#19.2 J3#20.2 J3#21.2 J3#22.2 J3#23.2 J3#24.2 J3#25.2 J3#26.2 J3#27.2 J3#28.2 U1.34 U1#2.34 U1#3.34 U1#4.34 U1#5.34 U1#6.34 U1#7.34 U1#8.34 U1#9.34 U1#10.34 U1#11.34 U1#12.34 U1#13.34 U1#14.34 U1#15.34 U1#16.34 U1#17.34 U1#18.34 U1#19.34 U1#20.34 U1#21.34 U1#22.34 U1#23.34 U1#24.34 U1#25.34 U1#26.34 U1#27.34 U1#28.34
ESP_25A: J2.2 J2#2.2 J2#3.2 J2#4.2 J2#5.2 J2#6.2 J2#7.2 J2#8.2 J2#9.2 J2#10.2 J2#11.2 J2#12.2 J2#13.2 J2#14.2 J2#15.2 J2#16.2 J2#17.2 J2#18.2 J2#19.2 J2#20.2 J2#21.2 J2#22.2 J2#23.2 J2#24.2 J2#25.2 J2#26.2 J2#27.2 J2#28.2 U1.15 U1#2.15 U1#3.15 U1#4.15 U1#5.15 U1#6.15 U1#7.15 U1#8.15 U1#9.15 U1#10.15 U1#11.15 U1#12.15 U1#13.15 U1#14.15 U1#15.15 U1#16.15 U1#17.15 U1#18.15 U1#19.15 U1#20.15 U1#21.15 U1#22.15 U1#23.15 U1#24.15 U1#25.15 U1#26.15 U1#27.15 U1#28.15
ESP_26A: J2.1 J2#2.1 J2#3.1 J2#4.1 J2#5.1 J2#6.1 J2#7.1 J2#8.1 J2#9.1 J2#10.1 J2#11.1 J2#12.1 J2#13.1 J2#14.1 J2#15.1 J2#16.1 J2#17.1 J2#18.1 J2#19.1 J2#20.1 J2#21.1 J2#22.1 J2#23.1 J2#24.1 J2#25.1 J2#26.1 J2#27.1 J2#28.1 U1.16 U1#2.16 U1#3.16 U1#4.16 U1#5.16 U1#6.16 U1#7.16 U1#8.16 U1#9.16 U1#10.16 U1#11.16 U1#12.16 U1#13.16 U1#14.16 U1#15.16 U1#16.16 U1#17.16 U1#18.16 U1#19.16 U1#20.16 U1#21.16 U1#22.16 U1#23.16 U1#24.16 U1#25.16 U1#26.16 U1#27.16 U1#28.16
ESP_27A: J3.8 J3#2.8 J3#3.8 J3#4.8 J3#5.8 J3#6.8 J3#7.8 J3#8.8 J3#9.8 J3#10.8 J3#11.8 J3#12.8 J3#13.8 J3#14.8 J3#15.8 J3#16.8 J3#17.8 J3#18.8 J3#19.8 J3#20.8 J3#21.8 J3#22.8 J3#23.8 J3#24.8 J3#25.8 J3#26.8 J3#27.8 J3#28.8 U1.17 U1#2.17 U1#3.17 U1#4.17 U1#5.17 U1#6.17 U1#7.17 U1#8.17 U1#9.17 U1#10.17 U1#11.17 U1#12.17 U1#13.17 U1#14.17 U1#15.17 U1#16.17 U1#17.17 U1#18.17 U1#19.17 U1#20.17 U1#21.17 U1#22.17 U1#23.17 U1#24.17 U1#25.17 U1#26.17 U1#27.17 U1#28.17
ESP_32A: J2.4 J2#2.4 J2#3.4 J2#4.4 J2#5.4 J2#6.4 J2#7.4 J2#8.4 J2#9.4 J2#10.4 J2#11.4 J2#12.4 J2#13.4 J2#14.4 J2#15.4 J2#16.4 J2#17.4 J2#18.4 J2#19.4 J2#20.4 J2#21.4 J2#22.4 J2#23.4 J2#24.4 J2#25.4 J2#26.4 J2#27.4 J2#28.4 U1.12 U1#2.12 U1#3.12 U1#4.12 U1#5.12 U1#6.12 U1#7.12 U1#8.12 U1#9.12 U1#10.12 U1#11.12 U1#12.12 U1#13.12 U1#14.12 U1#15.12 U1#16.12 U1#17.12 U1#18.12 U1#19.12 U1#20.12 U1#21.12 U1#22.12 U1#23.12 U1#24.12 U1#25.12 U1#26.12 U1#27.12 U1#28.12
ESP_33A: J2.3 J2#2.3 J2#3.3 J2#4.3 J2#5.3 J2#6.3 J2#7.3 J2#8.3 J2#9.3 J2#10.3 J2#11.3 J2#12.3 J2#13.3 J2#14.3 J2#15.3 J2#16.3 J2#17.3 J2#18.3 J2#19.3 J2#20.3 J2#21.3 J2#22.3 J2#23.3 J2#24.3 J2#25.3 J2#26.3 J2#27.3 J2#28.3 U1.13 U1#2.13 U1#3.13 U1#4.13 U1#5.13 U1#6.13 U1#7.13 U1#8.13 U1#9.13 U1#10.13 U1#11.13 U1#12.13 U1#13.13 U1#14.13 U1#15.13 U1#16.13 U1#17.13 U1#18.13 U1#19.13 U1#20.13 U1#21.13 U1#22.13 U1#23.13 U1#24.13 U1#25.13 U1#26.13 U1#27.13 U1#28.13
ESP_34A: J2.8 J2#2.8 J2#3.8 J2#4.8 J2#5.8 J2#6.8 J2#7.8 J2#8.8 J2#9.8 J2#10.8 J2#11.8 J2#12.8 J2#13.8 J2#14.8 J2#15.8 J2#16.8 J2#17.8 J2#18.8 J2#19.8 J2#20.8 J2#21.8 J2#22.8 J2#23.8 J2#24.8 J2#25.8 J2#26.8 J2#27.8 J2#28.8 U1.9 U1#2.9 U1#3.9 U1#4.9 U1#5.9 U1#6.9 U1#7.9 U1#8.9 U1#9.9 U1#10.9 U1#11.9 U1#12.9 U1#13.9 U1#14.9 U1#15.9 U1#16.9 U1#17.9 U1#18.9 U1#19.9 U1#20.9 U1#21.9 U1#22.9 U1#23.9 U1#24.9 U1#25.9 U1#26.9 U1#27.9 U1#28.9
ESP_35A: J2.9 J2#2.9 J2#3.9 J2#4.9 J2#5.9 J2#6.9 J2#7.9 J2#8.9 J2#9.9 J2#10.9 J2#11.9 J2#12.9 J2#13.9 J2#14.9 J2#15.9 J2#16.9 J2#17.9 J2#18.9 J2#19.9 J2#20.9 J2#21.9 J2#22.9 J2#23.9 J2#24.9 J2#25.9 J2#26.9 J2#27.9 J2#28.9 U1.10 U1#2.10 U1#3.10 U1#4.10 U1#5.10 U1#6.10 U1#7.10 U1#8.10 U1#9.10 U1#10.10 U1#11.10 U1#12.10 U1#13.10 U1#14.10 U1#15.10 U1#16.10 U1#17.10 U1#18.10 U1#19.10 U1#20.10 U1#21.10 U1#22.10 U1#23.10 U1#24.10 U1#25.10 U1#26.10 U1#27.10 U1#28.10
ESP_36A: U1.4 U1#2.4 U1#3.4 U1#4.4 U1#5.4 U1#6.4 U1#7.4 U1#8.4 U1#9.4 U1#10.4 U1#11.4 U1#12.4 U1#13.4 U1#14.4 U1#15.4 U1#16.4 U1#17.4 U1#18.4 U1#19.4 U1#20.4 U1#21.4 U1#22.4 U1#23.4 U1#24.4 U1#25.4 U1#26.4 U1#27.4 U1#28.4
ESP_37A: J2.5 J2#2.5 J2#3.5 J2#4.5 J2#5.5 J2#6.5 J2#7.5 J2#8.5 J2#9.5 J2#10.5 J2#11.5 J2#12.5 J2#13.5 J2#14.5 J2#15.5 J2#16.5 J2#17.5 J2#18.5 J2#19.5 J2#20.5 J2#21.5 J2#22.5 J2#23.5 J2#24.5 J2#25.5 J2#26.5 J2#27.5 J2#28.5 U1.5 U1#2.5 U1#3.5 U1#4.5 U1#5.5 U1#6.5 U1#7.5 U1#8.5 U1#9.5 U1#10.5 U1#11.5 U1#12.5 U1#13.5 U1#14.5 U1#15.5 U1#16.5 U1#17.5 U1#18.5 U1#19.5 U1#20.5 U1#21.5 U1#22.5 U1#23.5 U1#24.5 U1#25.5 U1#26.5 U1#27.5 U1#28.5
ESP_38A: J2.6 J2#2.6 J2#3.6 J2#4.6 J2#5.6 J2#6.6 J2#7.6 J2#8.6 J2#9.6 J2#10.6 J2#11.6 J2#12.6 J2#13.6 J2#14.6 J2#15.6 J2#16.6 J2#17.6 J2#18.6 J2#19.6 J2#20.6 J2#21.6 J2#22.6 J2#23.6 J2#24.6 J2#25.6 J2#26.6 J2#27.6 J2#28.6 U1.6 U1#2.6 U1#3.6 U1#4.6 U1#5.6 U1#6.6 U1#7.6 U1#8.6 U1#9.6 U1#10.6 U1#11.6 U1#12.6 U1#13.6 U1#14.6 U1#15.6 U1#16.6 U1#17.6 U1#18.6 U1#19.6 U1#20.6 U1#21.6 U1#22.6 U1#23.6 U1#24.6 U1#25.6 U1#26.6 U1#27.6 U1#28.6
ESP_39A: J2.7 J2#2.7 J2#3.7 J2#4.7 J2#5.7 J2#6.7 J2#7.7 J2#8.7 J2#9.7 J2#10.7 J2#11.7 J2#12.7 J2#13.7 J2#14.7 J2#15.7 J2#16.7 J2#17.7 J2#18.7 J2#19.7 J2#20.7 J2#21.7 J2#22.7 J2#23.7 J2#24.7 J2#25.7 J2#26.7 J2#27.7 J2#28.7 U1.7 U1#2.7 U1#3.7 U1#4.7 U1#5.7 U1#6.7 U1#7.7 U1#8.7 U1#9.7 U1#10.7 U1#11.7 U1#12.7 U1#13.7 U1#14.7 U1#15.7 U1#16.7 U1#17.7 U1#18.7 U1#19.7 U1#20.7 U1#21.7 U1#22.7 U1#23.7 U1#24.7 U1#25.7 U1#26.7 U1#27.7 U1#28.7
~{RESET}: J3.10 J3#2.10 J3#3.10 J3#4.10 J3#5.10 J3#6.10 J3#7.10 J3#8.10 J3#9.10 J3#10.10 J3#11.10 J3#12.10 J3#13.10 J3#14.10 J3#15.10 J3#16.10 J3#17.10 J3#18.10 J3#19.10 J3#20.10 J3#21.10 J3#22.10 J3#23.10 J3#24.10 J3#25.10 J3#26.10 J3#27.10 J3#28.10 R1.2 R1#2.2 R1#3.2 R1#4.2 R1#5.2 R1#6.2 R1#7.2 R1#8.2 R1#9.2 R1#10.2 R1#11.2 R1#12.2 R1#13.2 R1#14.2 R1#15.2 R1#16.2 R1#17.2 R1#18.2 R1#19.2 R1#20.2 R1#21.2 R1#22.2 R1#23.2 R1#24.2 R1#25.2 R1#26.2 R1#27.2 R1#28.2 SW1.1 SW1#2.1 SW1#3.1 SW1#4.1 SW1#5.1 SW1#6.1 SW1#7.1 SW1#8.1 SW1#9.1 SW1#10.1 SW1#11.1 SW1#12.1 SW1#13.1 SW1#14.1 SW1#15.1 SW1#16.1 SW1#17.1 SW1#18.1 SW1#19.1 SW1#20.1 SW1#21.1 SW1#22.1 SW1#23.1 SW1#24.1 SW1#25.1 SW1#26.1 SW1#27.1 SW1#28.1 U1.8 U1#2.8 U1#3.8 U1#4.8 U1#5.8 U1#6.8 U1#7.8 U1#8.8 U1#9.8 U1#10.8 U1#11.8 U1#12.8 U1#13.8 U1#14.8 U1#15.8 U1#16.8 U1#17.8 U1#18.8 U1#19.8 U1#20.8 U1#21.8 U1#22.8 U1#23.8 U1#24.8 U1#25.8 U1#26.8 U1#27.8 U1#28.8
Net-(D1-A): D1.2 D1#2.2 D1#3.2 D1#4.2 D1#5.2 D1#6.2 D1#7.2 D1#8.2 D1#9.2 D1#10.2 D1#11.2 D1#12.2 D1#13.2 D1#14.2 D1#15.2 D1#16.2 D1#17.2 D1#18.2 D1#19.2 D1#20.2 D1#21.2 D1#22.2 D1#23.2 D1#24.2 D1#25.2 D1#26.2 D1#27.2 D1#28.2 R2.2 R2#2.2 R2#3.2 R2#4.2 R2#5.2 R2#6.2 R2#7.2 R2#8.2 R2#9.2 R2#10.2 R2#11.2 R2#12.2 R2#13.2 R2#14.2 R2#15.2 R2#16.2 R2#17.2 R2#18.2 R2#19.2 R2#20.2 R2#21.2 R2#22.2 R2#23.2 R2#24.2 R2#25.2 R2#26.2 R2#27.2 R2#28.2

Pads without a net: J1 1; J1#2 1; J1#3 1; J1#4 1; J1#5 1; J1#6 1; J1#7 1; J1#8 1; J1#9 1; J1#10 1; J1#11 1; J1#12 1; J1#13 1; J1#14 1; J1#15 1; J1#16 1; J1#17 1; J1#18 1; J1#19 1; J1#20 1; J1#21 1; J1#22 1; J1#23 1; J1#24 1; J1#25 1; J1#26 1; J1#27 1; J1#28 1; J4 NC1 NC2; J4#2 NC1 NC2; J4#3 NC1 NC2; J4#4 NC1 NC2; J4#5 NC1 NC2; J4#6 NC1 NC2; J4#7 NC1 NC2; J4#8 NC1 NC2; J4#9 NC1 NC2; J4#10 NC1 NC2; J4#11 NC1 NC2; J4#12 NC1 NC2; J4#13 NC1 NC2; J4#14 NC1 NC2; J4#15 NC1 NC2; J4#16 NC1 NC2; J4#17 NC1 NC2; J4#18 NC1 NC2; J4#19 NC1 NC2; J4#20 NC1 NC2; J4#21 NC1 NC2; J4#22 NC1 NC2; J4#23 NC1 NC2; J4#24 NC1 NC2; J4#25 NC1 NC2; J4#26 NC1 NC2; J4#27 NC1 NC2; J4#28 NC1 NC2; U1 25 32; U1#2 25 32; U1#3 25 32; U1#4 25 32; U1#5 25 32; U1#6 25 32; U1#7 25 32; U1#8 25 32; U1#9 25 32; U1#10 25 32; U1#11 25 32; U1#12 25 32; U1#13 25 32; U1#14 25 32; U1#15 25 32; U1#16 25 32; U1#17 25 32; U1#18 25 32; U1#19 25 32; U1#20 25 32; U1#21 25 32; U1#22 25 32; U1#23 25 32; U1#24 25 32; U1#25 25 32; U1#26 25 32; U1#27 25 32; U1#28 25 32; U2 4; U2#2 4; U2#3 4; U2#4 4; U2#5 4; U2#6 4; U2#7 4; U2#8 4; U2#9 4; U2#10 4; U2#11 4; U2#12 4; U2#13 4; U2#14 4; U2#15 4; U2#16 4; U2#17 4; U2#18 4; U2#19 4; U2#20 4; U2#21 4; U2#22 4; U2#23 4; U2#24 4; U2#25 4; U2#26 4; U2#27 4; U2#28 4

## Via types
v1: diameter 0.61, hole 0.305, Top to Bottom, 84 vias
v2: diameter 0.56, hole 0.3, Top to Bottom, 1904 vias
